# Altium PCB Hvamp_32.PCBDOC (part 3 of 6)
Units mm, origin at the board's own origin, x right, y up, seen from the top; angles counter-clockwise.
Board outline 125.1 x 100.1 mm, 6 copper layers (L1, L2, L3, L4, P5, L6), stack 1.514 mm thick; 578 components, 364 nets, 1709 pads, 908 vias.
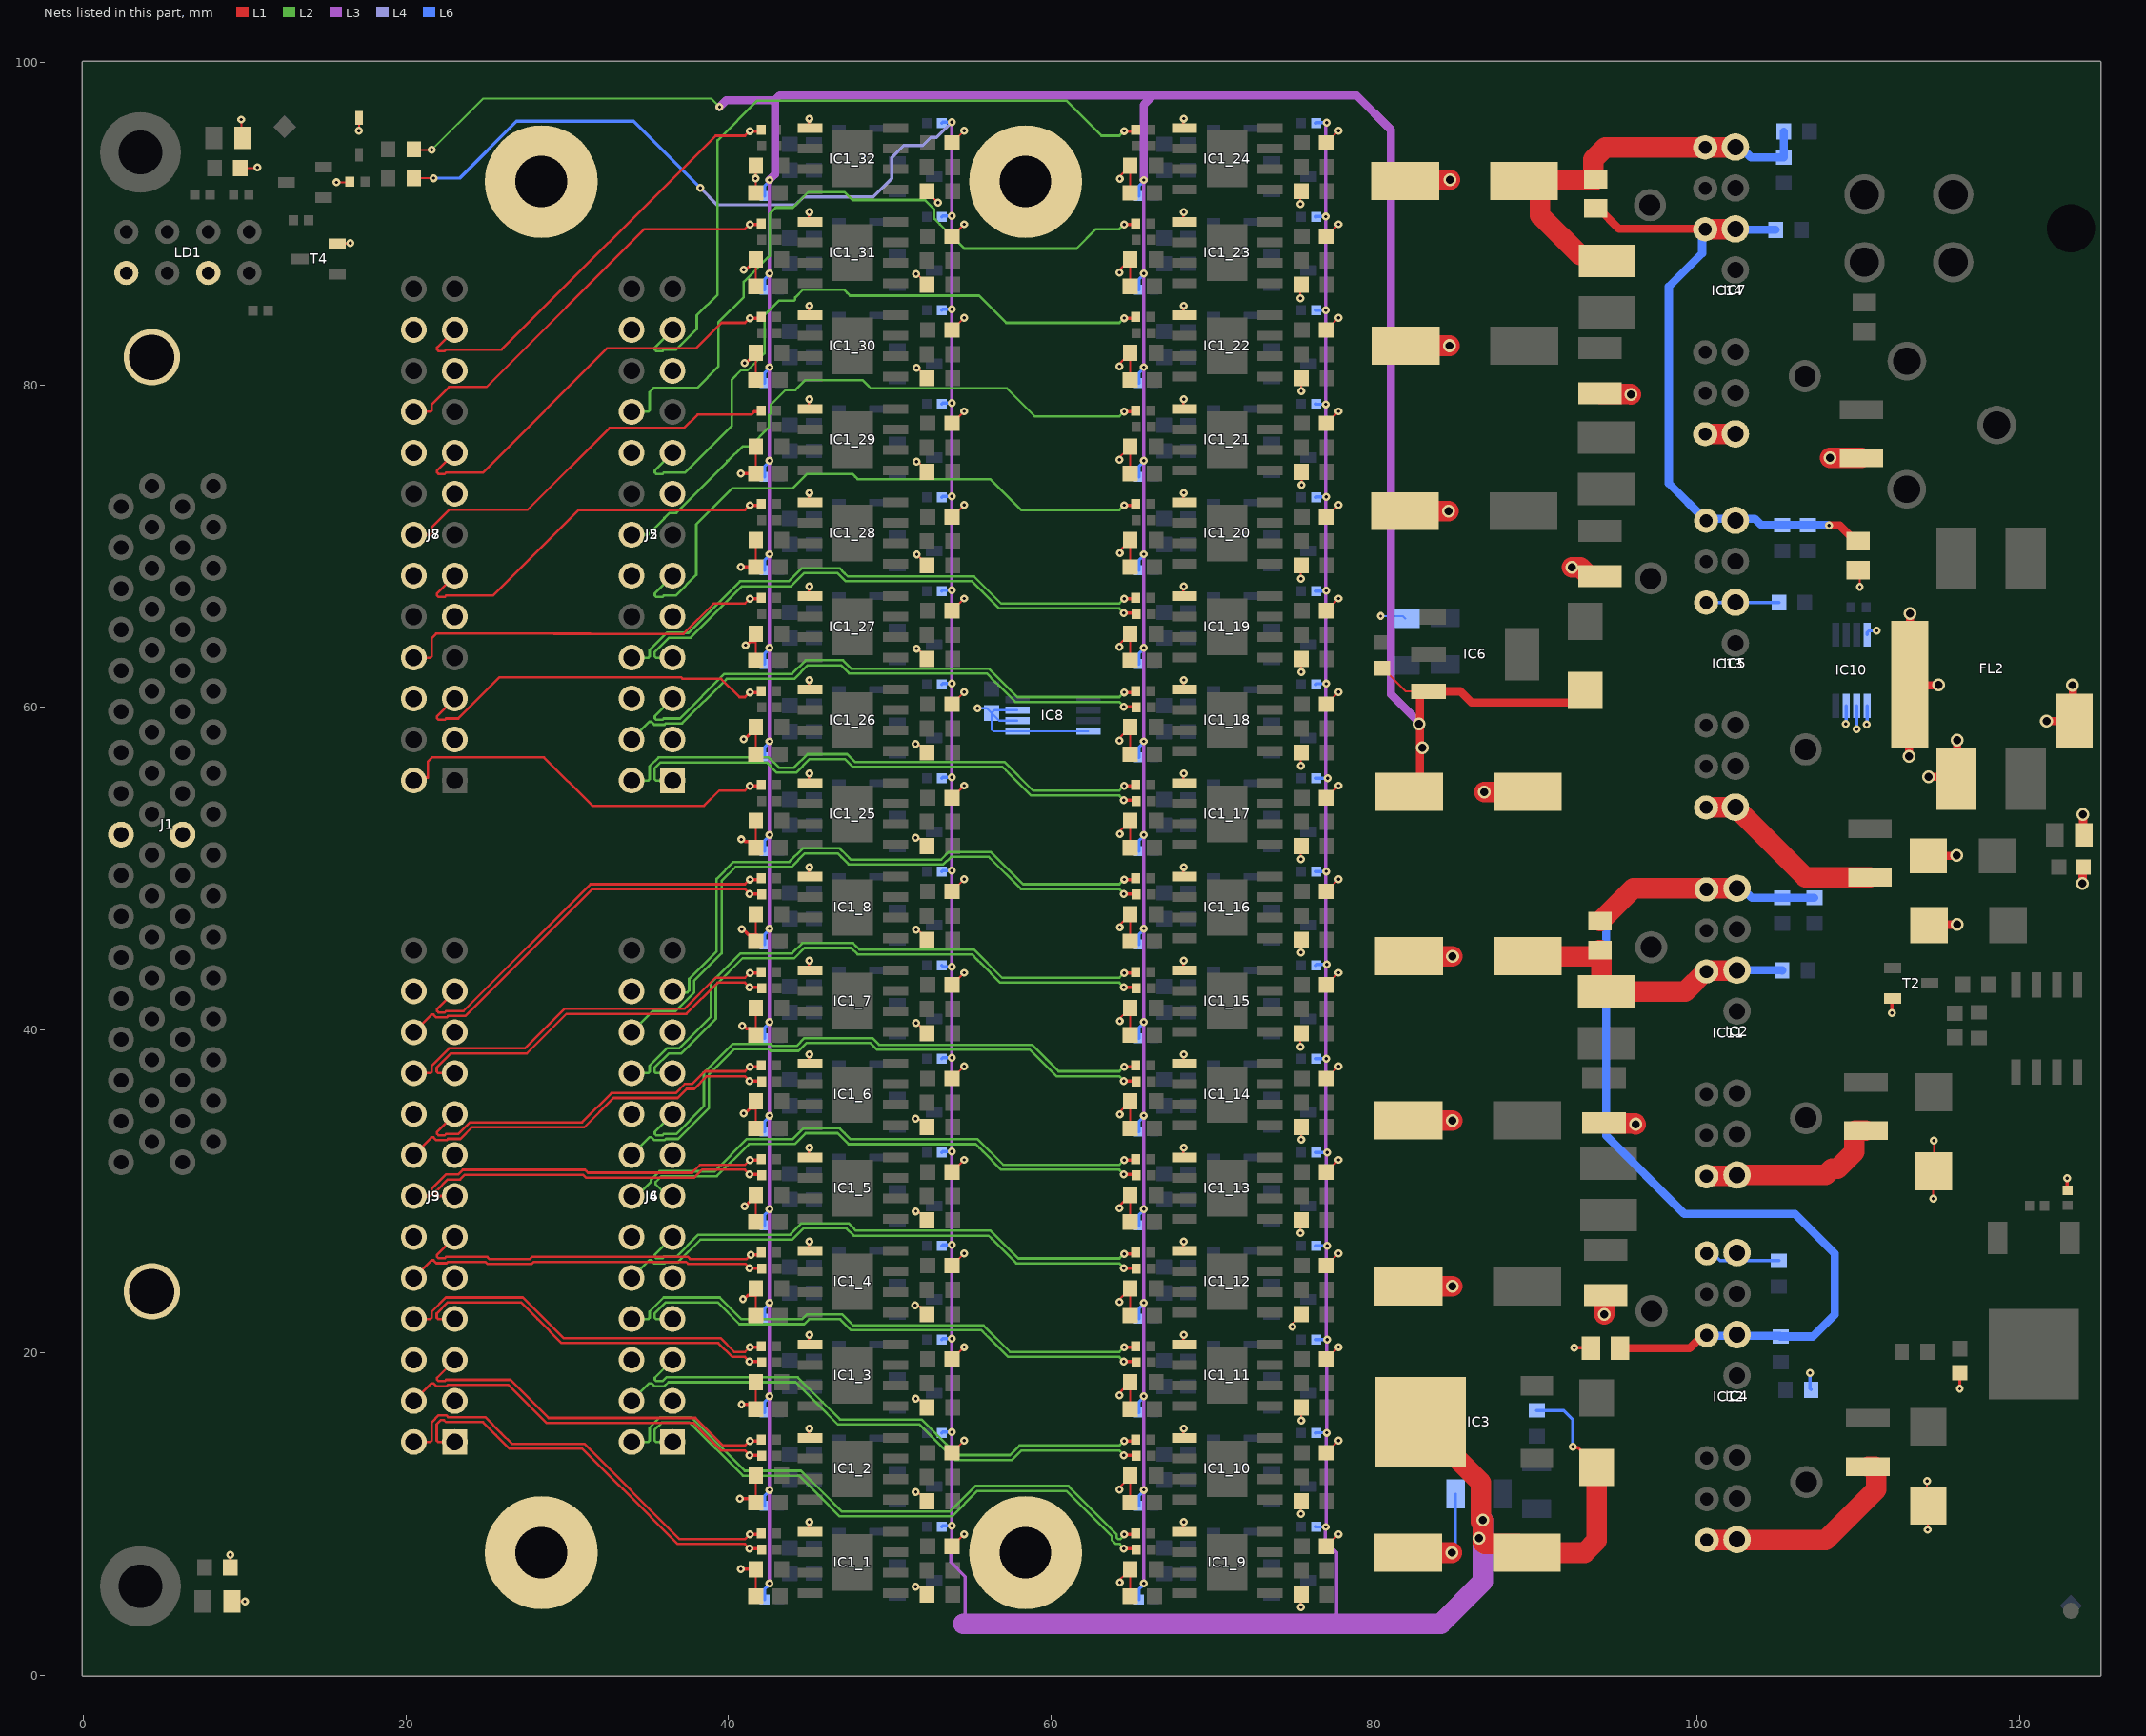
[diagram p7: the nets of this part, all layers, seen from the top]

## Via types
v1: diameter 0.5, hole 0.2, L1 to L6, tented both sides, 873 vias
v2: diameter 0.8, hole 0.5, L1 to L6, tented both sides, 35 vias

## Nets (pads, with @x,y where several pads share a name; then routed paths per layer and width w, separated by ;. In a path a pad name is that pad's centre, name@x,y a point inside that pad or via, vN(x,y) a via of type N, cw(c..) or ccw(c..) an arc to the next point about the centre after c; other vN are vias at no path point) (continued)
GND: B2.1 B3.1 B4.1 B5.1 C3.2 C4.2 C5.1 C6.2 C7.2 C8.2 C9.2 C10.1 C11.2 C12.2 C13.2 C14.1 C15.2 C16.1 C17.2 C18.1 C19.1 C20.1 C21.1 C22.1 C23.1 C25.1 C26.1 C27.2 C29.1 C30.1 C53.1 C92_1.1 C92_2.1 C92_3.1 C92_4.1 C92_5.1 C92_6.1 C92_7.1 C92_8.1 C92_9.1 C92_10.1 C92_11.1 C92_12.1 C92_13.1 C92_14.1 C92_15.1 C92_16.1 C92_17.1 C92_18.1 C92_19.1 C92_20.1 C92_21.1 C92_22.1 C92_23.1 C92_24.1 C92_25.1 C92_26.1 C92_27.1 C92_28.1 C92_29.1 C92_30.1 C92_31.1 C92_32.1 C154_1.1 C154_2.1 C154_3.1 C154_4.1 C154_5.1 C154_6.1 C154_7.1 C154_8.1 C154_9.1 C154_10.1 C154_11.1 C154_12.1 C154_13.1 C154_14.1 C154_15.1 C154_16.1 C154_17.1 C154_18.1 C154_19.1 C154_20.1 C154_21.1 C154_22.1 C154_23.1 C154_24.1 C154_25.1 C154_26.1 C154_27.1 C154_28.1 C154_29.1 C154_30.1 C154_31.1 C154_32.1 D1.2 D5.2 FL2.4 IC1_1.1 IC1_2.1 IC1_3.1 IC1_4.1 IC1_5.1 IC1_6.1 IC1_7.1 IC1_8.1 IC1_9.1 IC1_10.1 IC1_11.1 IC1_12.1 IC1_13.1 IC1_14.1 IC1_15.1 IC1_16.1 IC1_17.1 IC1_18.1 IC1_19.1 IC1_20.1 IC1_21.1 IC1_22.1 IC1_23.1 IC1_24.1 IC1_25.1 IC1_26.1 IC1_27.1 IC1_28.1 IC1_29.1 IC1_30.1 IC1_31.1 IC1_32.1 IC2.1 IC4.1 IC4.8 IC5.1 IC5.6 IC7.1 IC8.4 IC8.5 IC8.6 IC8.7 IC10.4 IC10.5 IC10.6 IC10.7 IC11.1 IC12.1 IC12.8 IC13.1 IC13.6 IC14.1 J1.17 J1.51 J1.69 J1.70 J2.3 J2.6 J2.9 J2.12 J2.15 J2.18 J2.21 J2.24 J3.3 J3.6 J3.9 J3.12 J3.15 J3.18 J3.21 J3.24 J4.3 J4.6 J4.9 J4.12 J4.15 J4.18 J4.21 J4.24 J5.3 J5.6 J5.9 J5.12 J5.15 J5.18 J5.21 J5.24 J6.3 J6.6 J6.9 J6.12 J6.15 J6.18 J6.21 J6.24 J7.3 J7.6 J7.9 J7.12 J7.15 J7.18 J7.21 J7.24 J8.3 J8.6 J8.9 J8.12 J8.15 J8.18 J8.21 J8.24 J9.3 J9.6 J9.9 J9.12 J9.15 J9.18 J9.21 J9.24 LD1.1 LD1.5 R5_1.1 R5_2.1 R5_3.1 R5_4.1 R5_5.1 R5_6.1 R5_7.1 R5_8.1 R5_9.1 R5_10.1 R5_11.1 R5_12.1 R5_13.1 R5_14.1 R5_15.1 R5_16.1 R5_17.1 R5_18.1 R5_19.1 R5_20.1 R5_21.1 R5_22.1 R5_23.1 R5_24.1 R5_25.1 R5_26.1 R5_27.1 R5_28.1 R5_29.1 R5_30.1 R5_31.1 R5_32.1 R12.2 R14.2 R15.2 R17.1 R20.1 R23.1 R32.1 R35.1 R58.1 R67_1.1 R67_2.1 R67_3.1 R67_4.1 R67_5.1 R67_6.1 R67_7.1 R67_8.1 R67_9.1 R67_10.1 R67_11.1 R67_12.1 R67_13.1 R67_14.1 R67_15.1 R67_16.1 R67_17.1 R67_18.1 R67_19.1 R67_20.1 R67_21.1 R67_22.1 R67_23.1 R67_24.1 R67_25.1 R67_26.1 R67_27.1 R67_28.1 R67_29.1 R67_30.1 R67_31.1 R67_32.1 T2.2 T4.2 | length 298.9
  L1 w0.127: v1(9.119,7.468) 9.124,7.462 R23.1@9.124,6.673 ; C15.2@9.224,4.581 v1(10.024,4.581) ; R17.1@9.742,93.44 10.763,93.44 v1(10.795,93.472) ; v1(9.804,96.444) 9.804,95.396 C11.2@9.9,95.3 ; v1(15.7,92.55) 16.48,92.55 R58.1@16.53,92.6 ; T4.2@15.75,88.75 16.538,88.75 v1(16.561,88.773) ; v1(17.1,95.75) D5.2@17.1,96.54 ; C92_1.1@41.693,4.897 41.681,4.909 41.681,6.561 R5_1.1@41.694,6.574 ; C92_2.1@41.693,10.697 41.681,10.709 41.681,12.361 R5_2.1@41.694,12.374 ; C92_3.1@41.693,16.497 41.681,16.509 41.681,18.161 R5_3.1@41.694,18.174 ; C92_4.1@41.693,22.297 41.681,22.309 41.681,23.961 R5_4.1@41.694,23.974 ; C92_5.1@41.693,28.097 41.681,28.109 41.681,29.761 R5_5.1@41.694,29.774 ; C92_6.1@41.693,33.897 41.681,33.909 41.681,35.561 R5_6.1@41.694,35.574 ; C92_7.1@41.693,39.697 41.681,39.709 41.681,41.361 R5_7.1@41.694,41.374 ; C92_8.1@41.693,45.497 41.681,45.509 41.681,47.161 R5_8.1@41.694,47.174 ; C92_25.1@41.693,51.297 41.681,51.309 41.681,52.961 R5_25.1@41.694,52.974 ; C92_26.1@41.693,57.097 41.681,57.109 41.681,58.761 R5_26.1@41.694,58.774 ; C92_27.1@41.693,62.897 41.681,62.909 41.681,64.561 R5_27.1@41.694,64.574 ; C92_28.1@41.693,68.697 41.681,68.709 41.681,70.361 R5_28.1@41.694,70.374 ; C92_29.1@41.693,74.497 41.681,74.509 41.681,76.161 R5_29.1@41.694,76.174 ; C92_30.1@41.693,80.297 41.681,80.309 41.681,81.961 R5_30.1@41.694,81.974 ; C92_31.1@41.693,86.097 41.681,86.109 41.681,87.761 R5_31.1@41.694,87.774 ; C92_32.1@41.693,91.897 41.681,91.909 41.681,93.561 R5_32.1@41.694,93.574 ; IC1_1.1@44.982,8.904 v1@44.982,9.449 ; IC1_2.1@44.982,14.704 v1@44.982,15.249 ; IC1_3.1@44.982,20.504 v1@44.982,21.049 ; IC1_4.1@44.982,26.304 v1@44.982,26.849 ; IC1_5.1@44.982,32.104 v1@44.982,32.649 ; IC1_6.1@44.982,37.904 v1@44.982,38.449 ; IC1_7.1@44.982,43.704 v1@44.982,44.249 ; IC1_8.1@44.982,49.504 v1@44.982,50.049 ; IC1_25.1@44.982,55.304 v1@44.982,55.849 ; IC1_26.1@44.982,61.104 v1@44.982,61.649 ; IC1_27.1@44.982,66.904 v1@44.982,67.449 ; IC1_28.1@44.982,72.704 v1@44.982,73.249 ; IC1_29.1@44.982,78.504 v1@44.982,79.049 ; IC1_30.1@44.982,84.304 v1@44.982,84.849 ; IC1_31.1@44.982,90.104 v1@44.982,90.649 ; IC1_32.1@44.982,95.904 v1@44.982,96.449 ; v1(51.562,22.936) 51.633,22.865 51.835,22.865 51.863,22.837 51.913,22.837 52.3,22.45 R67_4.1@52.3,22.4 ; v1(51.6,5.486) 51.65,5.437 51.913,5.437 52.3,5.05 R67_1.1@52.3,5 ; v1(51.6,34.493) 51.657,34.437 51.913,34.437 52.3,34.05 R67_6.1@52.3,34 ; v1(51.601,51.921) 51.672,51.849 51.851,51.849 51.863,51.837 51.913,51.837 52.3,51.45 R67_25.1@52.3,51.4 ; v1(51.603,57.74) 51.675,57.668 51.832,57.668 51.863,57.637 51.913,57.637 52.3,57.25 R67_26.1@52.3,57.2 ; v1(51.607,17.159) 51.708,17.159 51.83,17.037 51.913,17.037 52.3,16.65 R67_3.1@52.3,16.6 ; v1(51.608,11.362) 51.709,11.362 51.834,11.237 51.913,11.237 52.3,10.85 R67_2.1@52.3,10.8 ; v1(51.607,28.76) 51.679,28.689 51.811,28.689 51.863,28.637 51.913,28.637 52.3,28.25 R67_5.1@52.3,28.2 ; v1(51.613,40.437) 51.663,40.437 51.863,40.237 51.913,40.237 52.3,39.85 R67_7.1@52.3,39.8 ; v1(51.613,86.868) 51.682,86.868 52.3,86.25 R67_31.1@52.3,86.2 ; v1(51.625,46.208) 51.696,46.137 51.813,46.137 52.3,45.65 R67_8.1@52.3,45.6 ; v1(51.647,75.247) 51.703,75.247 52.3,74.65 R67_29.1@52.3,74.6 ; v1(51.65,63.65) 51.7,63.65 52.3,63.05 R67_27.1@52.3,63 ; v1(51.653,81.054) 51.696,81.054 52.3,80.45 R67_30.1@52.3,80.4 ; v1(51.667,69.47) 51.68,69.47 52.3,68.85 R67_28.1@52.3,68.8 ; R67_32.1@52.3,92 52.3,91.95 52.962,91.288 v1(52.984,91.288) ; C154_1.1@53.85,8 v1(54.6,8.75) ; C154_2.1@53.85,13.8 v1(54.6,14.55) ; C154_3.1@53.85,19.6 v1(54.6,20.35) ; C154_4.1@53.85,25.4 v1(54.6,26.15) ; C154_5.1@53.85,31.2 v1(54.6,31.95) ; C154_6.1@53.85,37 v1(54.6,37.75) ; C154_7.1@53.85,42.8 v1(54.6,43.55) ; C154_8.1@53.85,48.6 v1(54.6,49.35) ; C154_25.1@53.85,54.4 v1(54.6,55.15) ; C154_26.1@53.85,60.2 v1(54.6,60.95) ; C154_27.1@53.85,66 v1(54.6,66.75) ; C154_28.1@53.85,71.8 v1(54.6,72.55) ; C154_29.1@53.85,77.6 v1(54.6,78.35) ; C154_30.1@53.85,83.4 v1(54.6,84.15) ; C154_31.1@53.85,89.2 v1(54.6,89.95) ; C154_32.1@53.85,95 v1(54.6,95.75) ; v1(64.23,17.35) 64.302,17.421 64.302,17.581 R5_11.1@64.875,18.154 ; v1(64.23,23.15) 64.302,23.221 64.302,23.381 R5_12.1@64.875,23.954 ; v1(64.23,28.95) 64.302,29.021 64.302,29.181 R5_13.1@64.875,29.754 ; v1(64.23,57.95) 64.302,58.021 64.302,58.181 R5_18.1@64.875,58.754 ; v1(64.23,63.75) 64.302,63.821 64.302,63.981 R5_19.1@64.875,64.554 ; v1(64.23,81.15) 64.302,81.221 64.302,81.381 R5_22.1@64.875,81.954 ; v1(64.23,86.95) 64.302,87.021 64.302,87.181 R5_23.1@64.875,87.754 ; v1(64.237,11.506) 64.308,11.578 64.308,11.737 R5_10.1@64.881,12.311 ; v1(64.237,75.356) 64.308,75.428 64.308,75.587 R5_21.1@64.881,76.161 ; v1(64.243,5.763) 64.314,5.834 64.314,5.994 R5_9.1@64.894,6.574 ; v1(64.243,34.763) 64.314,34.834 64.314,34.994 R5_14.1@64.894,35.574 ; v1(64.243,40.563) 64.314,40.634 64.314,40.794 R5_15.1@64.894,41.374 ; v1(64.243,46.363) 64.314,46.434 64.314,46.594 R5_16.1@64.894,47.174 ; v1(64.243,52.163) 64.314,52.234 64.314,52.394 R5_17.1@64.894,52.974 ; v1(64.243,69.563) 64.314,69.634 64.314,69.794 R5_20.1@64.894,70.374 ; v1(64.243,92.763) 64.314,92.834 64.314,92.994 R5_24.1@64.894,93.574 ; R5_9.1@64.881,6.561 64.881,4.909 C92_9.1@64.893,4.897 ; R5_14.1@64.881,35.561 64.881,33.909 C92_14.1@64.893,33.897 ; R5_15.1@64.881,41.361 64.881,39.709 C92_15.1@64.893,39.697 ; R5_16.1@64.881,47.161 64.881,45.509 C92_16.1@64.893,45.497 ; R5_17.1@64.881,52.961 64.881,51.309 C92_17.1@64.893,51.297 ; R5_20.1@64.881,70.361 64.881,68.709 C92_20.1@64.893,68.697 ; R5_24.1@64.881,93.561 64.881,91.909 C92_24.1@64.893,91.897 ; C92_10.1@64.893,10.697 64.881,10.709 R5_10.1@64.881,12.311 ; C92_11.1@64.893,16.497 64.881,16.509 64.881,18.161 R5_11.1@64.894,18.174 ; C92_12.1@64.893,22.297 64.881,22.309 64.881,23.961 R5_12.1@64.894,23.974 ; C92_13.1@64.893,28.097 64.881,28.109 64.881,29.761 R5_13.1@64.894,29.774 ; C92_18.1@64.893,57.097 64.881,57.109 64.881,58.761 R5_18.1@64.894,58.774 ; C92_19.1@64.893,62.897 64.881,62.909 64.881,64.561 R5_19.1@64.894,64.574 ; C92_21.1@64.893,74.497 64.881,74.509 R5_21.1@64.881,76.161 ; C92_22.1@64.893,80.297 64.881,80.309 64.881,81.961 R5_22.1@64.894,81.974 ; C92_23.1@64.893,86.097 64.881,86.109 64.881,87.761 R5_23.1@64.894,87.774 ; R5_10.1@64.894,12.374 64.894,12.324 R5_10.1@64.881,12.311 ; R5_21.1@64.894,76.174 R5_21.1@64.881,76.161 ; IC1_9.1@68.182,8.904 v1@68.182,9.449 ; IC1_10.1@68.182,14.704 v1@68.182,15.249 ; IC1_11.1@68.182,20.504 v1@68.182,21.049 ; IC1_12.1@68.182,26.304 v1@68.182,26.849 ; IC1_13.1@68.182,32.104 v1@68.182,32.649 ; IC1_15.1@68.182,43.704 v1@68.182,44.249 ; IC1_16.1@68.182,49.504 v1@68.182,50.049 ; IC1_17.1@68.182,55.304 v1@68.182,55.849 ; IC1_19.1@68.182,66.904 v1@68.182,67.449 ; IC1_20.1@68.182,72.704 v1@68.182,73.249 ; IC1_21.1@68.182,78.504 v1@68.182,79.049 ; IC1_22.1@68.182,84.304 v1@68.182,84.849 ; IC1_23.1@68.182,90.104 v1@68.182,90.649 ; IC1_24.1@68.182,95.904 v1@68.182,96.449 ; v1(68.2,38.5) 68.2,37.955 IC1_14.1@68.25,37.905 ; IC1_18.1@68.205,61.124 v1@68.205,61.669 ; v1(74.93,21.615) 75.001,21.687 75.001,21.851 75.463,22.313 R67_12.1@75.463,22.388 ; v1(75.438,27.407) R67_13.1@75.438,28.154 ; v1(75.438,38.964) R67_15.1@75.438,39.711 ; v1(75.438,85.369) R67_23.1@75.438,86.116 ; v1(75.438,91.211) R67_24.1@75.438,91.958 ; v1(75.463,4.216) 75.463,4.963 R67_9.1@75.5,5 ; v1(75.463,10.008) R67_10.1@75.463,10.755 ; v1(75.463,44.806) R67_16.1@75.463,45.553 ; v1(75.463,50.597) R67_17.1@75.463,51.344 ; v1(75.463,56.388) R67_18.1@75.463,57.135 ; v1(75.463,67.97) R67_20.1@75.463,68.717 ; v1(75.489,15.799) R67_11.1@75.489,16.546 ; v1(75.489,33.198) R67_14.1@75.489,33.945 ; v1(75.489,62.179) R67_19.1@75.489,62.926 ; v1(75.489,79.604) R67_22.1@75.489,80.351 ; v1(75.514,73.787) R67_21.1@75.514,74.534 ; C154_9.1@77.05,8 v1(77.8,8.75) ; C154_10.1@77.05,13.8 v1(77.8,14.55) ; C154_11.1@77.05,19.6 v1(77.8,20.35) ; C154_12.1@77.05,25.4 v1(77.8,26.15) ; C154_13.1@77.05,31.2 v1(77.8,31.95) ; C154_14.1@77.05,37 v1(77.8,37.75) ; C154_15.1@77.05,42.8 v1(77.8,43.55) ; C154_16.1@77.05,48.6 v1(77.8,49.35) ; C154_17.1@77.05,54.4 v1(77.8,55.15) ; C154_18.1@77.05,60.2 v1(77.8,60.95) ; C154_19.1@77.05,66 v1(77.8,66.75) ; C154_20.1@77.05,71.8 v1(77.8,72.55) ; C154_21.1@77.05,77.6 v1(77.8,78.35) ; C154_22.1@77.05,83.4 v1(77.8,84.15) ; C154_23.1@77.05,89.2 v1(77.8,89.95) ; C154_24.1@77.05,95 v1(77.8,95.75) ; C13.2@110,68.5 110.109,68.391 v1(110.109,67.462) ; v1(114.275,12.04) 114.275,10.58 C12.2@114.351,10.504 114.325,10.479 v1(114.325,9.017) ; v1(114.656,29.54) 114.656,31.206 C17.2@114.7,31.25 114.706,31.256 v1(114.706,33.147)
  L1 w0.203: v1(40.703,10.952) C92_2.1@41.6,10.952 ; v1(40.766,68.702) C92_28.1@41.663,68.702 ; v1(40.766,74.502) C92_29.1@41.663,74.502 ; v1(40.767,6.579) 41.664,6.579 R5_1.1@41.681,6.561 ; v1(40.792,51.816) 40.873,51.816 41.018,51.671 41.32,51.671 41.651,51.34 C92_25.1@41.651,51.314 ; v1(40.805,16.794) C92_3.1@41.702,16.794 ; v1(40.818,46.253) 40.898,46.253 41.249,45.903 C92_8.1@41.778,45.903 ; v1(40.843,40.259) 40.924,40.259 41.112,40.071 41.32,40.071 41.651,39.74 C92_7.1@41.651,39.714 ; v1(40.894,23.317) 40.974,23.317 41.208,23.551 R5_4.1@41.702,23.551 ; v1(40.945,34.823) 41.025,34.823 41.36,35.159 R5_6.1@41.676,35.159 ; v1(40.945,58.039) 41.01,58.039 41.37,58.4 R5_26.1@41.676,58.4 ; v1(40.945,87.122) 41.002,87.179 41.149,87.179 41.352,87.381 R5_31.1@41.651,87.381 ; v1(40.996,29.083) 41.054,29.083 41.363,29.393 R5_5.1@41.752,29.393 ; v1(40.996,81.356) 41.076,81.356 41.284,81.564 R5_30.1@41.346,81.564 ; v1(41.046,63.856) 41.127,63.856 41.36,64.089 R5_27.1@41.651,64.089 ; v1(92.405,20.295) 93.436,20.295 C10.1@93.461,20.269 ; v1(112.09,41.046) 112.09,41.89 T2.2@112.15,41.95 ; C22.1@116.3,18.75 116.307,18.743 v1(116.307,17.755) ; v1(122.961,30.81) 122.961,30.109 R32.1@123,30.07
  L1 w0.508: v2@113.157,56.978 FL2.4@113.157,58.471 ; FL2.4@113.233,64.313 v2@113.233,65.806 ; FL2.4@113.487,61.366 v2@114.98,61.366 ; v2@114.382,55.702 FL2.4@115.875,55.702 ; D1.2@114.605,50.8 v2@116.098,50.8 ; C27.2@114.63,46.533 v2@116.123,46.533 ; FL2.4@116.154,56.464 v2@116.154,57.957 ; v2@121.697,59.157 FL2.4@123.19,59.157 ; FL2.4@123.317,59.868 v2@123.317,61.361 ; v2(123.901,49.073) 123.926,49.097 123.926,50.076 C14.1@123.95,50.1 ; C30.1@123.952,51.867 v2@123.952,53.36
  L1 w1.27: C23.1@81.915,72.161 v2(84.618,72.161) ; C18.1@81.94,92.634 82.003,92.696 v2(84.706,92.696) ; C20.1@81.966,82.423 v2(84.669,82.423) ; C9.2@82.125,7.6 v2(84.828,7.6) ; C8.2@82.144,24.105 v2(84.846,24.105) ; C6.2@82.144,34.392 v2(84.846,34.392) ; C3.2@82.169,44.577 v2(84.872,44.577) ; v2(86.842,54.762) C25.1@89.544,54.762 ; v2(92.255,68.682) 92.794,68.682 93.33,68.145 C21.1@94.005,68.145 ; C19.1@94.005,79.474 94.045,79.434 95.903,79.434 v2(95.936,79.4) ; C4.2@94.259,34.236 94.299,34.196 96.182,34.196 v2(96.215,34.163) ; v2(94.285,22.377) 94.285,23.528 94.325,23.568 C7.2@94.361,23.568 ; IC14.1@100.53,76.935 100.542,76.948 102.388,76.948 IC7.1@102.4,76.96 ; IC13.1@100.584,53.797 100.595,53.809 102.389,53.809 IC5.1@102.4,53.82 106.742,49.478 C29.1@110.744,49.478 ; IC11.1@100.606,30.936 100.643,30.973 102.463,30.973 IC2.1@102.5,31.01 107.997,31.01 108.382,31.394 108.739,31.394 109.775,32.43 109.775,33.695 109.835,33.755 C5.1@110.49,33.755 ; IC12.1@100.631,8.381 107.999,8.381 111.125,11.506 111.125,12.867 111.065,12.927 C53.1@110.617,12.927 ; v2(108.255,75.463) 110.209,75.463 C16.1@110.211,75.462
  L6 w0.127: v1(55.423,59.944) 56.006,59.944 C26.1@56.3,59.65 ; IC8.6@57.9,59.175 56.775,59.175 C26.1@56.3,59.65 ; IC8.7@57.9,59.825 56.475,59.825 C26.1@56.3,59.65 ; IC8.4@62.3,58.525 IC8.5@57.9,58.525 56.41,58.525 56.3,58.635 C26.1@56.3,59.65 ; v1(80.416,65.659) 81.79,65.659 R35.1@81.94,65.509 ; v2(84.828,7.6) 84.828,7.782 85.062,8.017 R20.1@85.062,11.252
  L6 w0.203: IC13.6@100.584,66.497 105.097,66.497 R15.2@105.1,66.5 ; IC12.8@100.631,26.161 100.982,26.161 101.443,25.7 R12.2@105.1,25.7 ; v1(107.036,18.745) 107.036,17.764 R14.2@107.1,17.7 ; v1(109.245,58.979) 109.261,58.994 109.261,60.091 IC10.7@109.276,60.106 ; v1(109.906,58.649) 109.926,58.669 IC10.6@109.926,60.106 ; v1(110.541,58.953) 110.558,58.971 110.558,60.089 IC10.5@110.576,60.106 ; IC10.4@110.576,64.506 110.576,64.633 110.699,64.756 v1(111.151,64.756)
  other v1: 45,9.5 68.2,9.5 45,15.3 68.2,15.3 45,21.1 68.2,21.1 45,26.9 68.2,26.9 45,32.7 68.2,32.7 45,38.5 45,44.3 68.2,44.3 45,50.1 68.2,50.1 45,55.9 68.2,55.9 45,61.7 68.2,61.7 45,67.5 68.2,67.5 45,73.3 68.2,73.3 45,79.1 68.2,79.1 45,84.9 68.2,84.9 45,90.7 68.2,90.7 41.681,92.786 45,96.5 68.2,96.5
  other v2: 116.14,46.55 116.115,50.817 123.935,53.377 114.365,55.685 113.174,56.961 116.137,57.974 121.68,59.14 123.3,61.378 114.997,61.383 113.216,65.823
HV_NEG: C25.2 D4.1 IC6.3 L18_1.1 L18_2.1 L18_3.1 L18_4.1 L18_5.1 L18_6.1 L18_7.1 L18_8.1 L18_9.1 L18_10.1 L18_11.1 L18_12.1 L18_13.1 L18_14.1 L18_15.1 L18_16.1 L18_17.1 L18_18.1 L18_19.1 L18_20.1 L18_21.1 L18_22.1 L18_23.1 L18_24.1 L18_25.1 L18_26.1 L18_27.1 L18_28.1 L18_29.1 L18_30.1 L18_31.1 L18_32.1 R19.2 R24.2 | length 341.3
  L1 w0.127: R19.2@20.5,94.6 20.536,94.564 v1(21.615,94.564) ; R24.2@80.493,62.421 80.543,62.421 81.966,60.997 83.076,60.997 IC6.3@83.384,60.997
  L1 w0.508: C25.2@82.194,54.762 82.855,55.423 82.855,60.776 IC6.3@83.076,60.997 ; IC6.3@83.384,60.997 85.358,60.997 86.055,60.3 92.345,60.3 D4.1@93.091,61.045
  L3 w0.203: v1(42.523,5.694) v1(42.523,11.494) v1(42.523,17.294) v1(42.523,23.094) v1(42.523,28.894) v1(42.523,34.694) v1(42.523,40.494) v1(42.523,46.294) v1(42.523,52.094) v1(42.523,57.894) v1(42.523,63.694) v1(42.523,69.494) v1(42.523,75.294) v1(42.523,81.094) v1(42.523,86.894) v1(42.523,92.694) ; v1(65.723,5.694) v1(65.723,11.494) v1(65.723,17.294) v1(65.723,23.094) v1(65.723,28.894) v1(65.723,34.694) v1(65.723,40.494) v1(65.723,46.294) v1(65.723,52.094) v1(65.723,57.894) v1(65.723,63.694) v1(65.723,69.494) v1(65.723,75.294) v1(65.723,81.094) v1(65.723,86.894) v1(65.723,92.694)
  L3 w0.508: v1(39.446,97.231) 39.86,97.645 42.875,97.645 ; v1(42.523,92.694) 42.875,93.047 42.875,97.645 ; v1(65.723,92.694) 65.723,97.346 66.319,97.942 ; v2@82.849,59.018 81.047,60.82 81.047,95.813 78.918,97.942 66.319,97.942 ; 42.875,97.645 43.173,97.942 66.319,97.942
  L2 w0.127: v1(21.615,94.564) 24.79,97.739 38.938,97.739 v1(39.446,97.231)
  L6 w0.203: L18_1.1@42.24,4.7 42.24,5.331 42.523,5.614 v1(42.523,5.694) ; L18_2.1@42.24,10.5 42.24,11.131 42.523,11.414 v1(42.523,11.494) ; L18_3.1@42.24,16.3 42.24,16.931 42.523,17.214 v1(42.523,17.294) ; L18_4.1@42.24,22.1 42.24,22.731 42.523,23.014 v1(42.523,23.094) ; L18_5.1@42.24,27.9 42.24,28.531 42.523,28.814 v1(42.523,28.894) ; L18_6.1@42.24,33.7 42.24,34.331 42.523,34.614 v1(42.523,34.694) ; L18_7.1@42.24,39.5 42.24,40.131 42.523,40.414 v1(42.523,40.494) ; L18_8.1@42.24,45.3 42.24,45.931 42.523,46.214 v1(42.523,46.294) ; L18_25.1@42.24,51.1 42.24,51.731 42.523,52.014 v1(42.523,52.094) ; L18_26.1@42.24,56.9 42.24,57.531 42.523,57.814 v1(42.523,57.894) ; L18_27.1@42.24,62.7 42.24,63.331 42.523,63.614 v1(42.523,63.694) ; L18_28.1@42.24,68.5 42.24,69.131 42.523,69.414 v1(42.523,69.494) ; L18_29.1@42.24,74.3 42.24,74.931 42.523,75.214 v1(42.523,75.294) ; L18_30.1@42.24,80.1 42.24,80.731 42.523,81.014 v1(42.523,81.094) ; L18_31.1@42.24,85.9 42.24,86.531 42.523,86.814 v1(42.523,86.894) ; L18_32.1@42.24,91.7 42.24,92.331 42.523,92.614 v1(42.523,92.694) ; L18_9.1@65.44,4.7 65.44,5.331 65.723,5.614 v1(65.723,5.694) ; L18_10.1@65.44,10.5 65.44,11.131 65.723,11.414 v1(65.723,11.494) ; L18_11.1@65.44,16.3 65.44,16.931 65.723,17.214 v1(65.723,17.294) ; L18_12.1@65.44,22.1 65.44,22.731 65.723,23.014 v1(65.723,23.094) ; L18_13.1@65.44,27.9 65.44,28.531 65.723,28.814 v1(65.723,28.894) ; L18_14.1@65.44,33.7 65.44,34.331 65.723,34.614 v1(65.723,34.694) ; L18_15.1@65.44,39.5 65.44,40.131 65.723,40.414 v1(65.723,40.494) ; L18_16.1@65.44,45.3 65.44,45.931 65.723,46.214 v1(65.723,46.294) ; L18_17.1@65.44,51.1 65.44,51.731 65.723,52.014 v1(65.723,52.094) ; L18_18.1@65.44,56.9 65.44,57.531 65.723,57.814 v1(65.723,57.894) ; L18_19.1@65.44,62.7 65.44,63.331 65.723,63.614 v1(65.723,63.694) ; L18_20.1@65.44,68.5 65.44,69.131 65.723,69.414 v1(65.723,69.494) ; L18_21.1@65.44,74.3 65.44,74.931 65.723,75.214 v1(65.723,75.294) ; L18_22.1@65.44,80.1 65.44,80.731 65.723,81.014 v1(65.723,81.094) ; L18_23.1@65.44,85.9 65.44,86.531 65.723,86.814 v1(65.723,86.894) ; L18_24.1@65.44,91.7 65.44,92.331 65.723,92.614 v1(65.723,92.694)